# Altium PCB MTB_Telemetry_System_PCB.PcbDoc (continued)
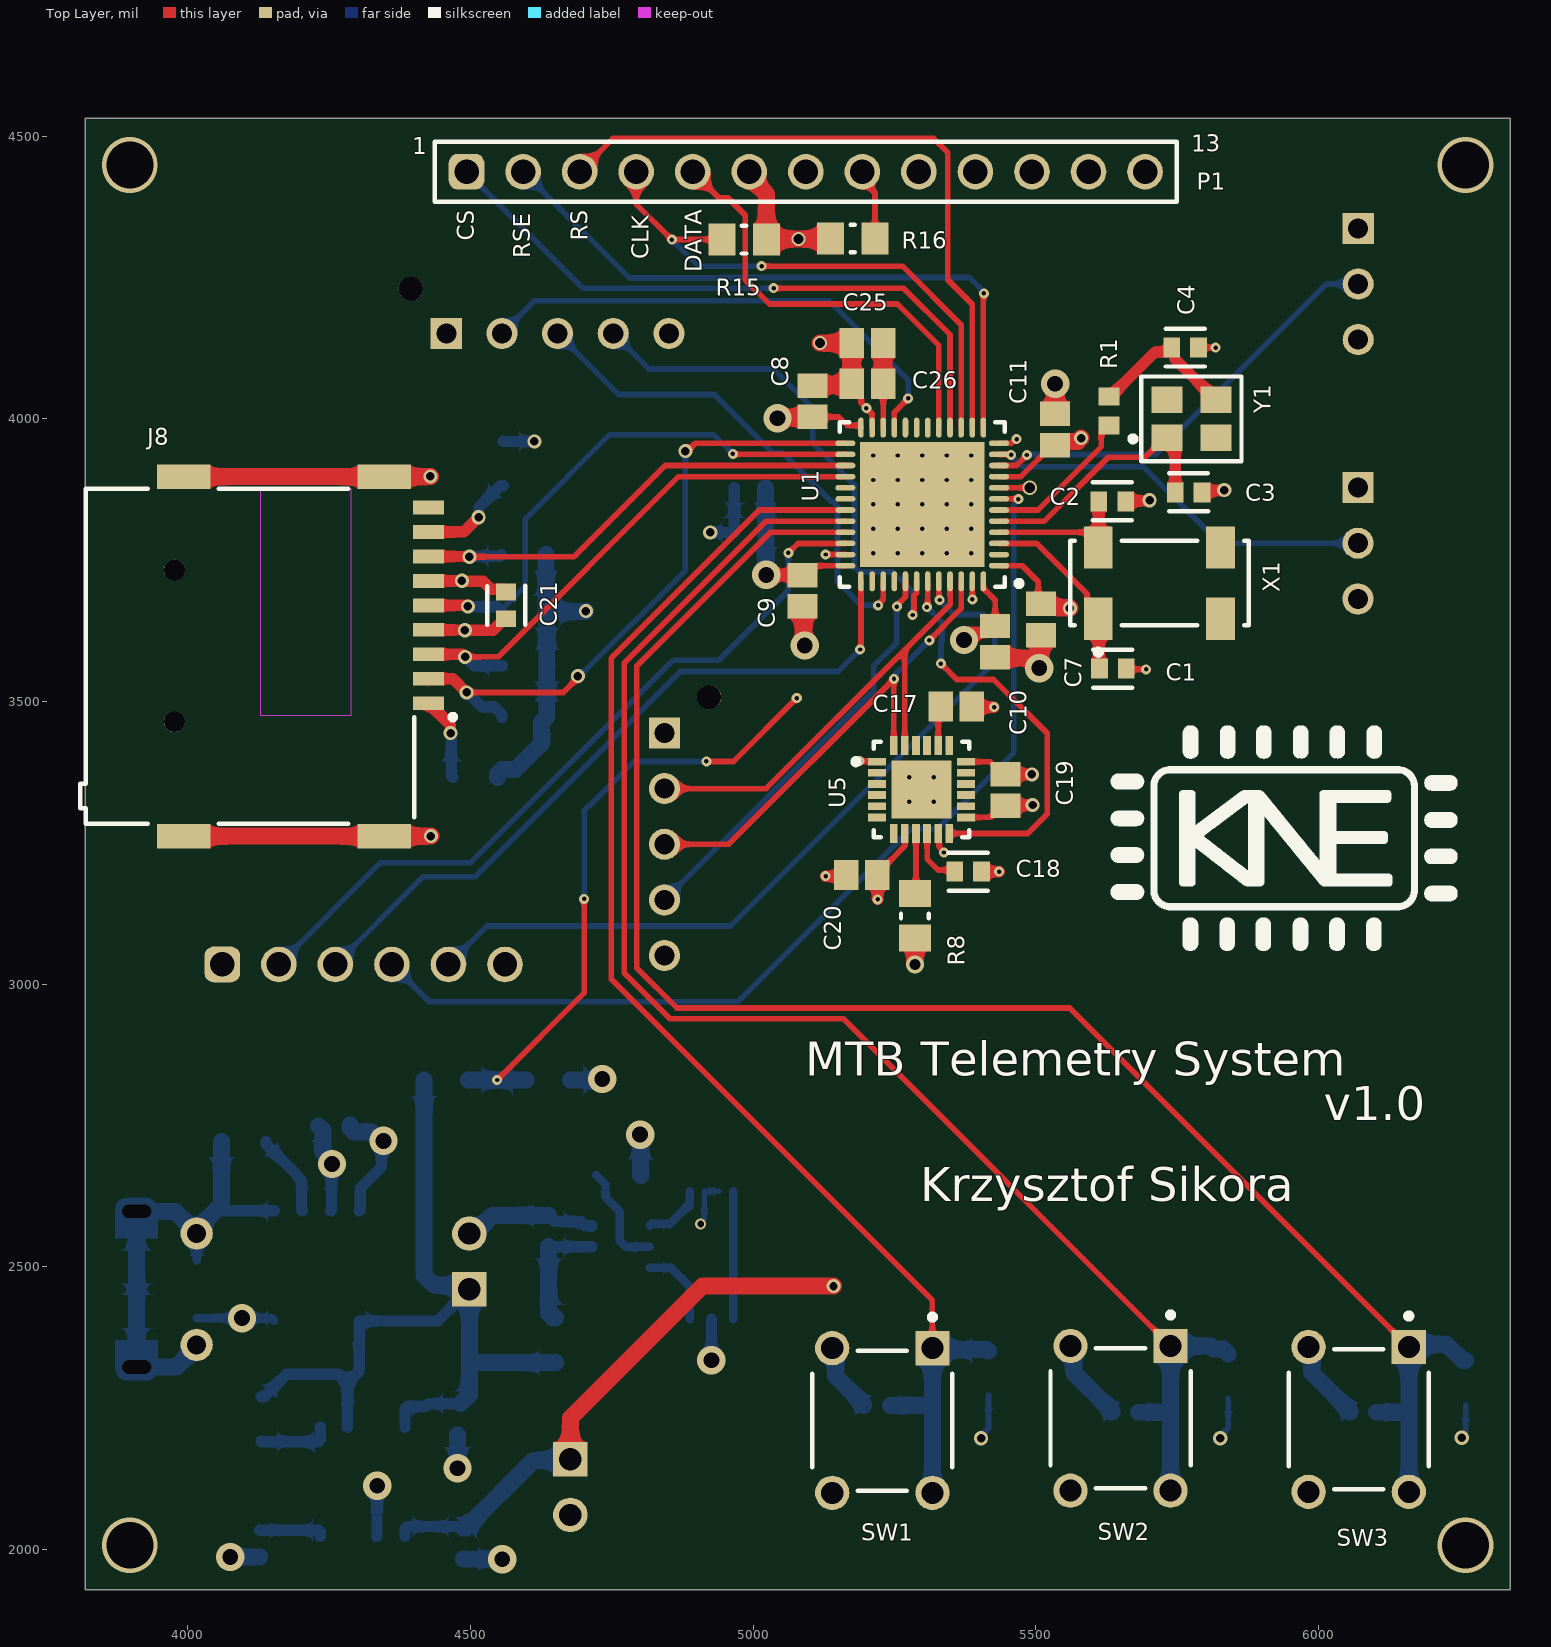
[diagram p0: Top Layer view]
## Components (designator, comment, footprint, x,y, rotation, side; value= is the part's Value field where it differs from the comment)
C1 "20p" FP-C0603C-CF-MFG 5636,3558 r0 top value="0.10 μF"
C2 "20p" FP-C0603C-CF-MFG 5635,3854 r180 top value="0.10 μF"
C3 "20p" FP-C0603C-CF-MFG 5770,3870 r180 top value="0.10 μF"
C4 "20p" FP-C0603C-CF-MFG 5764,4126 r180 top value="0.10 μF"
C5 "2.2u" CAPC2013X88X50LL20T25 4994,3878 r0 bottom
C6 "2.2u" CAPC2013X88X50LL20T25 4994,3799 r0 bottom
C7 "100n" CAPC2013X88X50LL20T25 5509,3645 r90 top
C8 "100n" CAPC2013X88X50LL20T25 5105,4031 r270 top
C9 "100n" CAPC2013X88X50LL20T25 5087,3696 r90 top
C10 "100n" CAPC2013X88X50LL20T25 5428,3606 r90 top
C11 "100n" CAPC2013X88X50LL20T25 5534,3981 r270 top
C12 "100n" CAPC2013X88X50LL20T25 4477.2,2230.63 r90 bottom
C13 "1u" CAPC2013X88X50LL20T25 4487.2,2010.63 r90 bottom
C14 "100n" CAPC2013X88X50LL20T25 4259.65,2750.63 r0 bottom
C15 "470p" FP-C0603C-CF-MFG 4127.2,2010.63 r270 bottom value="0.10 μF"
C16 "100n" CAPC2013X88X50LL20T25 4638.25,2563.62 r270 bottom
C17 "100n" CAPC2013X88X50LL20T25 5359,3491 r180 top
C18 "100n" FP-C0603C-CF-MFG 5380,3199 r0 top value="0.10 μF"
C19 "100n" CAPC2013X88X50LL20T25 5446.39,3343.56 r270 top
C20 "10n" CAPC2013X88X50LL20T25 5192,3193 r0 top
C21 "100n" FP-C0603C-CF-MFG 4563,3670 r270 top value="0.10 μF"
C22 "100n" FP-C0603C-CF-MFG 5219,2255 r0 bottom value="0.10 μF"
C23 "100n" FP-C0603C-CF-MFG 5658,2243 r0 bottom value="0.10 μF"
C24 "100n" FP-C0603C-CF-MFG 6079,2243 r0 bottom value="0.10 μF"
C25 "2.2u" CAPC2013X88X50LL20T25 5202,4134 r0 top
C26 "2.2u" CAPC2013X88X50LL20T25 5202,4062 r0 top
J1 "105017-0001" USB-MICRO-B_V 3962.6,2460.63 r90 bottom
J2 "B2B-XH-A(LF)(SN)" FP-B2B-XH-A_LF_SN-MFG 4477.29,2509.84 r90 bottom
J3 "B2B-XH-A(LF)(SN)" FP-B2B-XH-A_LF_SN-MFG 4697.2,2110.63 r270 bottom
J4 "B5B-XH-AM(LF)(SN)" FP-B5B-XH-AM_LF_SN-MFG 4863.67,3247.58 r90 bottom
J5 "B5B-XH-AM(LF)(SN)" FP-B5B-XH-AM_LF_SN-MFG 4654,4171.67 r180 bottom
J6 "B3B-XH-A(LF)(SN)" FP-B3B-XH-A_LF_SN-MFG 6090,3780 r270 bottom
J7 "B3B-XH-A(LF)(SN)" FP-B3B-XH-A_LF_SN-MFG 6090.67,4238.43 r270 bottom
J8 "MEM2075-00-140-01-A" GCT_MEM2075-00-140-01-A 3976.38,3598.43 r270 top
P1 "61301311121" 61301311121 5093,4437 r0 top
P2 "61300611121" 61300611121 4311,3035 r0 bottom
Q1 "FS8205A" SOP65P640X120-8N 4926.14,2520.63 r90 bottom
R1 "Rext" RESC1609X50X30NL8T20 5629,4014 r270 top
R2 "1M" RESC2013X60X35ML10T20 4130,2231 r90 bottom
R3 "1.2k" RESC2013X60X35ML10T20 4099,2722 r0 bottom
R4 "100" RESC2013X60X35ML10T20 4650,2370 r270 bottom
R5 "1k" RESC2013X60X35ML10T20 4762,2662 r180 bottom
R6 "100k" RESC2013X60X35ML10T20 4457.2,2830.63 r0 bottom
R7 "100k" RESC2013X60X35ML10T20 4637.2,2830.63 r0 bottom
R8 "1k" RESC2013X60X35ML10T20 5286,3121 r90 top
R9 "47k" RESC2013X60X35ML10T20 4595,3472 r0 bottom
R10 "47k" RESC2013X60X35ML10T20 4508,3366 r0 bottom
R11 "47k" RESC2013X60X35ML10T20 4558,3921 r90 bottom
R12 "47k" RESC2013X60X35ML10T20 4594,3760 r0 bottom
R13 "47k" RESC2013X60X35ML10T20 4596,3563 r0 bottom
R14 "47k" RESC2013X60X35ML10T20 4595,3659 r0 bottom
R15 "120" RESC2013X60X35ML10T20 4984,4317 r180 top
R16 "120" RESC2013X60X35ML10T20 5176,4319 r180 top
R17 "47k" RESC2013X60X35ML10T20 5416,2312 r270 bottom
R18 "47k" RESC2013X60X35ML10T20 5840,2307 r270 bottom
R19 "47k" RESC2013X60X35ML10T20 6260,2295 r270 bottom
SW1 "1-1825910-0" FP-1-1825910-0-MFG 5228.35,2228.35 r90 top
SW2 "1-1825910-0" FP-1-1825910-0-MFG 5649.61,2232.28 r90 top
SW3 "1-1825910-0" FP-1-1825910-0-MFG 6070.87,2230.31 r90 top
U1 "STM32F401CCU6" STM-UFQFPN48_N 5298.83,3848.51 r180 top
U2 "TP4056" SOP127P600X175-9N 4228,2502 r270 bottom
U3 "TC1263-3.3VOA" SOIC-OA8_M 4309.3,2119.83 r90 bottom
U4 "DW01A" SOT23-6 4766.21,2535.61 r270 bottom
U5 "MPU-6050" IS-QFN-24_V 5297.65,3344.35 r0 top
X1 "ABS25-32.768KHZ-6-T" ABRA-ABS25-4_V 5718.52,3709.3 r0 top
Y1 "7M-16.000MEEQ-T" FP-7M-MFG 5775,4000 r0 top

## Footprints (in the part's own frame and the unit in brackets; to place one, negate y for a bottom-side part, rotate by r counter-clockwise, add the part's x,y. Pads: shape width x height; smd on the part's side, far side on the other; paste and mask are expansions set on the pad)
61300611121 [mm] "Pin Header, pitch 2.54 mm, THT, Vertical, single row, 6p"
  rrect50% 1.6x1.6 hole 1.1: 1(-6.35,0)
  round 1.6 hole 1.1: 2(-3.81,0) 3(-1.27,0) 4(1.27,0) 5(3.81,0) 6(6.35,0)
  silkscreen extent -7.77,-1.34 7.77,1.34, body extent -7.62,-1.27 7.62,1.27, height 8.57
61301311121 [mm] "Pin Header, pitch 2.54 mm, THT, Vertical, single row, 13p"
  rrect50% 1.6x1.6 hole 1.1: 1(-15.24,0)
  round 1.6 hole 1.1: 2(-12.7,0) 3(-10.16,0) 4(-7.62,0) 5(-5.08,0) 6(-2.54,0) 7(0,0) 8(2.54,0) 9(5.08,0) 10(7.62,0) 11(10.16,0) 12(12.7,0) 13(15.24,0)
  silkscreen extent -16.66,-1.34 16.66,1.34, body extent -16.51,-1.27 16.51,1.27, height 8.57
ABRA-ABS25-4_V [mm] "SMD, 4-Leads, Body 8x3.8mm, Pitch 5.5mm, Height 2.5mm"
  rect 1.3x1.9 smd: 1(-2.75,-1.6) 2(2.75,-1.6) 3(2.75,1.6) 4(-2.75,1.6)
  silkscreen extent -4,-3.22 4,1.9, body extent -4,-2 4,2, height 2.66
CAPC2013X88X50LL20T25 [mm] "Chip Capacitor, 2-Leads, Body 2.00x1.25mm, IPC High Density"
  rect 1.1x1.35 smd: 1(-0.7,0) 2(0.7,0)
  body extent -1.1,-0.72 1.1,0.72, height 0.88
FP-1-1825910-0-MFG [mm]
  rect 1.54x1.54 hole 0.99 paste-1000 mask+0: 1(3.25,-2.25)
  round 1.54 hole 0.99 paste-1000 mask+0: 2(-3.25,-2.25) 3(3.25,2.25) 4(-3.25,2.25)
  silkscreen extent -3.14,-3.15 4.77,3.14, body extent -4.12,-3.24 4.12,3.24, height 0.25
FP-7M-MFG [mm]
  rect 1.4x1.2 smd paste+0 mask+0: 1(-1.1,-0.85) 2(1.1,-0.85) 3(1.1,0.85) 4(-1.1,0.85)
  silkscreen extent -2.75,-1.9 2.25,1.9, body extent -1.9,-1.55 1.9,1.55, height 0.25
FP-B2B-XH-A_LF_SN-MFG [mm]
  rect 1.55x1.55 hole 1 paste-1000 mask+0: 1(-1.25,0.525)
  round 1.55 hole 1 paste-1000 mask+0: 2(1.25,0.525)
  silkscreen extent -4.5,-2.88 3.7,2.87, body extent -3.7,-2.88 3.7,2.88, height 7
FP-B3B-XH-A_LF_SN-MFG [mm]
  rect 1.4x1.4 hole 0.9 paste-1000 mask+0: 1(-2.5,0.525)
  round 1.4 hole 0.9 paste-1000 mask+0: 2(0,0.525) 3(2.5,0.525)
  silkscreen extent -5.6,-2.88 4.95,2.87, body extent -4.95,-2.88 4.95,2.89, height 7
FP-B5B-XH-AM_LF_SN-MFG [mm]
  rect 1.4x1.4 hole 0.9 paste-1000 mask+0: 1(5,-0.525)
  round 1.4 hole 0.9 paste-1000 mask+0: 2(2.5,-0.525) 3(0,-0.525) 4(-2.5,-0.525) 5(-5,-0.525)
  round 1.1 hole 1.1 unplated paste-1000 mask+0: ""(6.6,1.475)
  silkscreen extent -7.45,-2.88 8.17,2.87, body extent -7.45,-2.88 7.45,2.88, height 7
FP-C0603C-CF-MFG [mm]
  rect 0.75x0.9 smd paste+0 mask+0: 1(-0.6,0) 2(0.6,0)
  silkscreen extent -0.87,-0.85 0.88,0.85, body extent -1.2,-0.6 1.2,0.6, height 0.25
GCT_MEM2075-00-140-01-A [mm]
  rect 0.62x1.4 smd: P1(2.58,11.42) P2(1.48,11.42) P3(0.38,11.42) P4(-0.72,11.42) P5(-1.82,11.42) P6(-2.92,11.42) P7(-4.02,11.42) P8(-5.12,11.42) P9(-6.22,11.42)
  rect 1.1x2.4 smd: SH1(-7.6,0.42) SH2(-7.6,9.42) SH3(8.55,9.42) SH4(8.55,0.42)
  round 0.95 hole 0.95 unplated: ""(-3.4,0) ""(3.4,0)
  Keep-Out Layer region: 3.15,3.87 -7.05,3.87 -7.05,7.92 3.15,7.92
  silkscreen extent -7.05,-4.23 8,12.62
IS-QFN-24_V [mm] "QFN, 24-Leads, Body 4x4mm, Pitch 0.5mm, Thermal Pad 2.7x2.6mm"
  rect 0.8x0.35 smd: 1(-2,1.25) 2(-2,0.75) 3(-2,0.25) 4(-2,-0.25) 5(-2,-0.75) 6(-2,-1.25) 13(2,-1.25) 14(2,-0.75) 15(2,-0.25) 16(2,0.25) 17(2,0.75) 18(2,1.25)
  rect 0.35x0.85 smd mask+0.102: 7(-1.25,-1.975) 8(-0.75,-1.975) 9(-0.25,-1.975) 10(0.25,-1.975) 11(0.75,-1.975) 12(1.25,-1.975) 19(1.25,1.975) 20(0.75,1.975) 21(0.25,1.975) 22(-0.25,1.975) 23(-0.75,1.975) 24(-1.25,1.975)
  rect 2.7x2.6 smd: 25(0,0)
  silkscreen extent -3.07,-2.15 2.15,2.15, body extent -2,-2 2,2, height 0.95
RESC1609X50X30NL8T20 [mm] "Chip Resistor, 2-Leads, Body 1.65x0.95mm, IPC Medium Density"
  rect 0.8x0.95 smd: 1(-0.65,0) 2(0.65,0)
  body extent -0.82,-0.48 0.82,0.48, height 0.5
RESC2013X60X35ML10T20 [mm] "Chip Resistor, 2-Leads, Body 2.1x1.35mm, IPC Low Density"
  rect 1.2x1.45 smd: 1(-1,0) 2(1,0)
  silkscreen extent -0.1,-0.63 0.1,0.63, body extent -1.05,-0.68 1.05,0.67, height 0.6
SOIC-OA8_M [mm] "SOIC, 8-Leads, Body 4.9x3.9mm, Pitch 1.27mm, IPC Low Density"
  oval 2.5x0.7 smd: 1(-2.45,1.905) 2(-2.45,0.635) 3(-2.45,-0.635) 4(-2.45,-1.905) 5(2.45,-1.905) 6(2.45,-0.635) 7(2.45,0.635) 8(2.45,1.905)
  silkscreen extent -2.57,-2.5 0.8,2.93, body extent -2,-2.5 2,2.5, height 1.75
SOP65P640X120-8N [mm]
  rrect25% 1.56x0.4 smd: 1(-2.88,0.975) 2(-2.88,0.325) 3(-2.88,-0.325) 4(-2.88,-0.975) 5(2.88,-0.975) 6(2.88,-0.325) 7(2.88,0.325) 8(2.88,0.975)
  silkscreen extent -4.54,-1.52 2.25,1.52
SOP127P600X175-9N [mm]
  rrect25% 1.97x0.6 smd: 1(-2.475,1.905) 2(-2.475,0.635) 3(-2.475,-0.635) 4(-2.475,-1.905) 5(2.475,-1.905) 6(2.475,-0.635) 7(2.475,0.635) 8(2.475,1.905)
  rect 2.413x3.302 smd paste-3: 9(0,0)
  silkscreen extent -4.54,-2.55 2,2.6, body extent -3,-2.45 3,2.45, height 1.75
SOT23-6 [mm]
  rect 0.55x1.2 smd: 1(-0.95,-1.3) 2(0,-1.3) 3(0.95,-1.3) 4(0.95,1.3) 5(0,1.3) 6(-0.95,1.3)
  silkscreen extent -1.42,-0.81 1.42,0.81, body extent -1.4,-1.45 1.4,1.45, height 1.45
STM-UFQFPN48_N [mm] "QFN, 48-Leads, Body 7.1x7.1mm, Pitch 0.5mm, Thermal Pad 5.6x5.6mm, IPC Medium Density"
  oval 0.9x0.25 smd: 1(-3.45,2.75) 2(-3.45,2.25) 3(-3.45,1.75) 4(-3.45,1.25) 5(-3.45,0.75) 6(-3.45,0.25) 7(-3.45,-0.25) 8(-3.45,-0.75) 9(-3.45,-1.25) 10(-3.45,-1.75) 11(-3.45,-2.25) 12(-3.45,-2.75) 25(3.45,-2.75) 26(3.45,-2.25) 27(3.45,-1.75) 28(3.45,-1.25) 29(3.45,-0.75) 30(3.45,-0.25) 31(3.45,0.25) 32(3.45,0.75) 33(3.45,1.25) 34(3.45,1.75) 35(3.45,2.25) 36(3.45,2.75)
  oval 0.25x0.9 smd: 13(-2.75,-3.45) 14(-2.25,-3.45) 15(-1.75,-3.45) 16(-1.25,-3.45) 17(-0.75,-3.45) 18(-0.25,-3.45) 19(0.25,-3.45) 20(0.75,-3.45) 21(1.25,-3.45) 22(1.75,-3.45) 23(2.25,-3.45) 24(2.75,-3.45) 37(2.75,3.45) 38(2.25,3.45) 39(1.75,3.45) 40(1.25,3.45) 41(0.75,3.45) 42(0.25,3.45) 43(-0.25,3.45) 44(-0.75,3.45) 45(-1.25,3.45) 46(-1.75,3.45) 47(-2.25,3.45) 48(-2.75,3.45)
  rect 5.6x5.6 smd: 49(0,0)
  silkscreen extent -4.48,-3.7 3.7,3.7, body extent -3.55,-3.55 3.55,3.55, height 0.6
USB-MICRO-B_V [mm] "USB, MICRO B, Body 7.491x4.695 mm, Pitch 0.65 mm"
  rect 0.4x1.35 smd: 1(-1.3,1.35) 2(-0.65,1.35) 3(0,1.35) 4(0.65,1.35) 5(1.3,1.35)
  round 1.45 hole 0.85: 6(-2.5,1.35) 7(2.5,1.35)
  rrect50% 0x0 hole 0.6 slot 1.3 at 90 deg: 8(-3.5,-1.35) 11(3.5,-1.35)
  rect 1.5x1.9 smd: 9(-1,-1.35) 10(1,-1.35)
  Top Layer region: -2.3,-2.3 -2.3,-0.4 -3.6,-0.4 -3.6,-2.3
  Top Layer region: 2.3,-0.4 2.3,-2.3 3.6,-2.3 3.6,-0.4
  Top Layer region: 3.6,-0.9 3.6,-1.8 4.1,-1.8 4.1,-0.9
  Top Layer region: -3.6,-1.8 -3.6,-0.9 -4.1,-0.9 -4.1,-1.8
  Top Layer lines w0.5: -3.6,-1.55 cw(c-3.6,-1.8) -3.6,-1.55 ; 3.6,-1.55 cw(c3.6,-1.8) 3.6,-1.55 ; -3.5,-1.129 ccw(c-3.6,-0.9) -3.5,-0.671 ccw(c-3.6,-0.9) -3.6,-0.65 ccw(c-3.6,-0.9) -3.5,-1.129 ; 3.5,-1.129 ccw(c3.6,-0.9) 3.6,-0.65 ccw(c3.6,-0.9) 3.5,-0.671 ccw(c3.6,-0.9) 3.5,-1.129
  silkscreen extent -3.75,-3.5 3.75,2.7, body extent -4.1,-3.9 4.1,1.5, height 2.67

## Part data
C1 C2 C3 C4 C15 C18 C21 C22 C23 C24: library part CMP-2006-03061-2, "CAP CER 0.1UF 50V X7R 0603", Capacitance="0.10 μF", Manufacturer=KEMET, Manufacturer Part Number=C0603C104K5RACTU, Package=C0603C-CF, Temperature="-55°C to +125°C", Temperature Characteristic=X7R, Temperature Coefficient=30ppm/°C, Temperature Range High=+125°C, Temperature Range Low=-55°C, Tolerance=0.1, Voltage Rating="50 V", Automotive=Yes, Automotive Grade="Grade 1", Category=Cap, ComponentLink2Description=Datasheet, ComponentLink2URL=https://api.kemet.com/component-edge/download/datasheet/C0603C100J5GACAUTO.pdf, Device Class L1="Passive Components", Device Class L2=Capacitors, Device Class L3="Ceramic Capacitors", Digikey Description="CAP CER 0.1UF 50V X7R 0603", Height=0.87mm, Lead Free=Yes, Material=Ceramic, Octopart=https://octopart.com/c0603c104k5ractu-kemet-139244, RoHS=TRUE
C5 C6 C7 C8 C9 C10 C11 C12 C13 C14 C16 C17 C19 C20 C25 C26: library part CMP-2007-00266-1, Manufacturer=Kemet, Part Number=C0805C103K5RACTU
J1: library part CMP-2000-05827-1, "Micro-USB B Receptacle, Right Angle, Bottom Mount, Surface Mount, with Solder Tabs, -30 to 85 degC, 5-Pin USB, RoHS, Tape and Reel", Manufacturer=Molex, Package Description="5-Leads USB, Micro B, Body 7.5 x 5 mm, Pitch 0.65 mm", Package Reference=MICRO-B, Package Version="Rev. F, 12/2012", Standard Package=1, Voltage - Max=30V, 3D Model=105017-0001.stp, Catalog Drawings=1050170001, Category=Connectors,Interconnects, Circuits=5, Connector Type=USB-microB, Datasheet URL=http://www.molex.com/elqNow/elqRedir.htm?ref=http://www.molex.com/webdocs/datasheets/pdf/en-us/1050170001_IO_CONNECTORS.pdf, Datasheet Version=03/2016, Family=USB,DVI,HDMIConnectors, Featured Product=Micro-USBConnectorsUSBConnectors, Features=Shielded,SolderRetention, Gender=Receptacle, Ingress Protection=-, Manufacturer URL=http://www.molex.com/, Mating Products=WM17145-ND-CABLEMICROUSBBTOSTDA1.0MWM17147-ND-CABLEMICROUSBBTOSTDA2.0MWM17146-ND-CABLEMICROUSBBTOSTDA1.5M, Mounting Technology=SurfaceMount, Mounting Type=BoardCutout,SurfaceMount,RightAngle, Number of Contacts=5, Online Catalog=Molex-MicroUSB, Other Names=WM1399DKR, Package URL=http://www.molex.com/pdm_docs/sd/1050170001_sd.pdf, Packaging=Digi-Reel®, PCN Assembly/Origin=ResinSupplier21/Oct/2015, RoHS Information=1050170001CertofCompliance, Series=-, Specifications=-
J2 J3: library part CMP-2000-05888-3, "CONN HEADER VERT 2POS 2.5MM", Color=Natural, Contact Resistance=20mR, Current Rating=3A, Housing Color=White, Insulation Resistance=1GR, Max Operating Temperature=85°C, Max Voltage Rating (AC)=250V, Min Operating Temperature=-25°C, Connector Type="Male Pin", Contact Material=Brass, Contact Plating=Tin, Contact Type="Male Pin", Depth=5.75mm, Fastening Type=Detent, Housing Material=Polyamide, Lead Free="Lead Free", Lead Pitch=2.5mm, Length=7.4mm, Max Current Rating=3A, Max Voltage Rating (DC)=250V, Mount="Through Hole", Number of Contacts=2, Number of Positions=2, Number of Rows=1, Orientation=Straight, Packaging=Bulk, Pitch=2.5mm, REACH SVHC="No SVHC", Series=XH, Termination=Solder, Voltage Rating=250V, Voltage Rating (AC)=250V, Wire/Cable Gauge=22AWG
J4 J5: library part CMP-17439-000304-1, "CONN HEADER VERT 5POS 2.5MM", Color=Green, Contact Resistance=20mR, Flammability Rating="UL94 V-0", Housing Color=White, Insulation Color=Natural, Max Current Rating=3A, Max Operating Temperature=85°C, Max Voltage Rating (AC)=250V, Min Operating Temperature=-25°C, Connector Type=Header, Contact Finish - Mating=TIN, Contact Material=Brass, Contact Plating=Copper, Contact Shape=Square, Contact Type="Male Pin", Depth=5.75mm, Fastening Type=Detent, Housing Material=Polyamide, Insulation Material=Nylon, Lead Free="Lead Free", Length=14.9mm, Mated Stacking Heights=9.8mm, Mount="Through Hole", Number of Positions=5, Number of Rows=1, Orientation=Straight, Packaging=Bulk, Pitch=2.5mm, Series=XH, Termination=Solder, Voltage Rating=250V
J6 J7: library part CMP-17439-000014-3, "CONN HEADER VERT 3POS 2.5MM", Color=Natural, Contact Resistance=20mR, Current Rating=3A, Flammability Rating="UL94 V-0", Housing Color=White, Insulation Resistance=1GR, Max Operating Temperature=85°C, Max Voltage Rating (AC)=250V, Min Operating Temperature=-25°C, Connector Type=Header, Contact Finish - Mating=TIN, Contact Material=Brass, Contact Plating=Tin, Contact Shape=Square, Contact Type="Male Pin", Depth=5.75mm, Fastening Type=Detent, Gender=Male, Housing Material=Polyamide, Insulation Color=Natural, Insulation Material=Nylon, Lead Free="Lead Free", Lead Pitch=2.5mm, Length=9.9mm, Max Current Rating=3A, Max Voltage Rating (DC)=250V, Mount="Through Hole", Number of Contacts=3, Number of Positions=3, Number of Rows=1, Orientation=Straight, Packaging=Bulk, Pitch=2.5mm, REACH SVHC="No SVHC", Series=XH, Termination=Solder, Voltage Rating=250V, Voltage Rating (AC)=250V, Wire/Cable Gauge=22AWG
J8: "Micro SD Memory Card Connector, 1.4mm Profile SMT, Push-Push, with Normally open Switch", Package=None, Availability=Unavailable, MP=MEM2075-00-140-01-A, Price=None
P1: library part CMP-1502-01089-2, Color=Black, Contact Resistance=20mΩ, Current Rating=3A, Operating Supply Voltage=250V, Connector Type="Male Pin", Contact Material=Copper, Contact Mating Length=5.9944mm, Contact Plating=Gold, Gender=Male, Lead Free="Lead Free", Lead Pitch=2.54mm, Mount="Through Hole", NexarPartId=32855541, Number of Contacts=13, Number of Pins=13, Number of Positions=13, Number of Rows=1, Orientation=Vertical, Packaging=Bulk, Pitch=2.54mm, REACH SVHC=Unknown, RoHS=Compliant, Termination=Solder
P2: library part CMP-1502-01070-2, Color=Black, Contact Resistance=20mΩ, Current Rating=3A, Max Operating Temperature=105°C, Min Operating Temperature=-40°C, Operating Supply Voltage=250V, Connector Type="Male Pin", Contact Gender=Male, Contact Material=Copper, Contact Mating Length=5.9944mm, Contact Plating=Gold, Gender=Male, Height=8.89mm, Housing Material=PBT, Lead Free="Lead Free", Lead Pitch=2.54mm, Mount="Through Hole", NexarPartId=20084590, Number of Contacts=6, Number of Pins=6, Number of Positions=6, Number of Rows=1, Orientation=Vertical, Packaging=Bulk, Pitch=2.54mm, REACH SVHC=Unknown, RoHS=Compliant, Termination="Through Hole", Voltage Rating=250V
Q1: "N/A", Package=Package, Availability="Not in stock", Check_prices=https://www.snapeda.com/parts/FS8205A/Fortune+Semiconductor/view-part/?ref=eda, MF="Fortune Semiconductor", MP=FS8205A, Price=None, SnapEDA_Link=https://www.snapeda.com/parts/FS8205A/Fortune+Semiconductor/view-part/?ref=snap
R1: library part CMP-1666-00005-4, "Chip Resistor, 10 KOhm, +/- 1%, 100 mW, -55 to 155 degC, 0603 (1608 Metric), RoHS, Tape and Reel", Manufacturer="Vishay Semiconductor", Max Operating Temperature="155 degC", Min Operating Temperature="-55 degC", Package Quantity=5000, Voltage Rating="75 V", ComponentLink1Description="Manufacturer URL", ComponentLink1URL=http://www.vishay.com/, ComponentLink2Description=Datasheet, ComponentLink2URL=https://datasheet.ciiva.com/11809/0900766b80d98afc-11809037.pdf, DatasheetVersion=06/2012, Height="0.45 mm", Length="1.55 mm", Mounting Technology="Surface Mount", PackageDescription="2-Pin Surface Mount Device, Body 1.575 x 0.85 mm", PackageReference=0603, Packaging="Tape and Reel", REACH SVHC=Unknown, RoHSCompliant=true
R2 R3 R4 R5 R6 R7 R8 R9 R10 R11 R12 R13 R14 R15 R16 R17 R18 R19: library part CMP-2100-03673-1, "Chip Resistor, 0 Ohm, Jumper, +/- 5%, 0.125 W, -55 to 155 degC, 0805 (2012 Metric), RoHS, Tape and Reel", Case Code (Imperial)=0805, Case Code (Metric)=2012, Manufacturer=Yageo, Max Operating Temperature=155degC, Min Operating Temperature=-55degC, Package Description="2-Pin Surface Mounted Device, Body 2 x 1.25 mm", Power Rating=125mW, Resistance=0mOhm, Temperature Coefficient=200ppm/degreesC, Tolerance=5%, Voltage Rating=150V, Case/Package=0805, Composition=ThickFilm, Contact Plating=Tin, Datasheet URL=http://www.yageo.com/NewPortal/yageodocoutput?fileName=/pdf/R-Chip/PYu-RC_Group_51_RoHS_L_5.pdf, Datasheet Version="Rev. 5, 10/2016", Depth=1.25mm, Height=0.5mm, Lead Free=LeadFree, Length=2mm, Manufacturer URL=http://www.yageo.com/, Military Standard=Not, Number of Pins=2, Package Reference=0805, Packaging=TapeandReel, Radiation Hardening=No, REACH SVHC=Unknown, RoHSCompliant=true, Termination=SMD/SMT, Voltage Rating (DC)=150V, Width=1.25mm
SW1 SW2 SW3: library part CMP-03407-000018-1, "SWITCH TACTILE SPST-NO 0.05A 24V", Actuator Color=Blue, Contact Current Rating=50mA, Contact Resistance=100mR, Max Operating Temperature=85°C, Max Voltage Rating (DC)=24V, Min Operating Temperature=-35°C, Operating Force=1.56N, Package Quantity=750, Actuator Length=3.4mm, Actuator Material=Nylon, Actuator Type=Standard, Contact Material=Brass, Contact Plating=Silver, Depth=5.99mm, Electrical Life=100000Cycles, Illumination Type=Non-Illuminated, Length=5.99mm, Max Current Rating=50mA, Mechanical Life=100000Cycles, Mount="Through Hole", Orientation=Straight, Packaging="Loose Piece", Radiation Hardening=No, RoHS Compliant=Yes, Series="FSMJ, Alcoswitch", Switch Function=Off-Mom, Switch Travel=0.25mm, Termination="PC Pins", Throw Configuration=SPST, Type=Switch, Voltage Rating (DC)=24V
U1: library part CMP-0243-00119-2, "ARM Cortex-M4 32-bit MCU+FPU, 105 DMIPS, 256 kB Flash, 64 kB Internal RAM, 36 I/Os, 48-pin UFQFPN, -40 to 85 degC, Tray", I/Os (High Current)=36, Manufacturer=STMicroelectronics, Operating Frequency(F) (Processor speed) (MHz)=84, Supply Voltage(Vcc) max (V)=3.6, Supply Voltage(Vcc) min (V)=1.8, ComponentLink1Description="Manufacturer URL", ComponentLink1URL=http://www.st.com/web/en/home.html, ComponentLink2Description=Datasheet, ComponentLink2URL=http://www.st.com/st-web-ui/static/active/en/resource/technical/document/data_brief/DM00071938.pdf, ComponentLink3Description="Package Specification", ComponentLink3URL=http://www.st.com/st-web-ui/static/active/en/resource/technical/document/data_brief/DM00071938.pdf, Core="ARM Cortex-M4", DatasheetVersion="Rev. 1", FLASH Size (Prog) (kB)=256, Internal RAM Size (kB)=64, Mounting Technology="Surface Mount", PackageDescription="48-Pin Ultra Thin Fine Pitch Quad Flat No-Lead, 7 x 7 x 0.6 mm Body, 0.5 mm Pitch, Exposed Pad", PackageReference=UFQFPN48, PackageVersion="Rev. 1, 04/2013", Packing=Tray, PartNumber=STM32F401CCU6
U2: "Complete single cell Li-Ion battery with a constant current / constant voltage linear charger", Package=Package, Availability="Not in stock", Check_prices=https://www.snapeda.com/parts/TP4056/NanJing+Top+Power+ASIC+Corp./view-part/?ref=eda, MF="NanJing Top Power ASIC Corp.", MP=TP4056, Price=None, SnapEDA_Link=https://www.snapeda.com/parts/TP4056/NanJing+Top+Power+ASIC+Corp./view-part/?ref=snap
U3: library part CMP-0136-00199-1, "500mA Fixed Output, CMOS LDO with Shutdown, 8-Pin SOIC 150mil, Extended Temperature", Code_IPC=SOIC127P600-8, DatasheetVersion="revC, Jan-2005", PackageDescription="8-Lead Plastic Small Outline (OA) - Narrow, 3.90mm Body [SOIC]", PackageReference=SOIC-OA8, PackageVersion="revBB, Aug-2009"
U4: "One Cell Lithium-ion/Polymer Battery Protection IC", Package="SOT-23-6 Fortune Semiconductor", Check_prices=https://www.snapeda.com/parts/DW01A/Fortune+Semiconductor/view-part/?ref=eda, MF="Fortune Semiconductor", MP=DW01A, SnapEDA_Link=https://www.snapeda.com/parts/DW01A/Fortune+Semiconductor/view-part/?ref=snap
U5: library part CMP-1753-00002-2, "3-Axis Gyroscope, Accelerometer and a Digital Motion Processor(TM) (DMP), 2.375 to 3.46 V, -40 to 85 degC, 24-Pin QFN, RoHS, Tape and Reel", Manufacturer=InvenSense, Standard Package=5,000, Category=Sensors,Transducers, Datasheet URL=http://datasheet.octopart.com/MPU-6050-InvenSense-datasheet-14421344.pdf, Datasheet Version="Rev. 3.3, 05/2012", Dynamic Catalog=MPU-6000™Series, Family=Multifunction, Featured Product=MPU-60506-Axis,IntegratedI²CSolution, Manufacturer URL=http://www.invensense.com/, Online Catalog=MPU-6000™Series, Other Names="1428-1007-2 / MPU6050", Output Type=Digital, Sensor Type=MotionTracking, Unit PriceUSD=Digital
X1: library part CMP-2000-05036-1, "Low Frequency Crystal, 32.768 KHz, 6 pF, +/- 20 ppm, -40 to 85 degC, 4-Pin SMD, RoHS, Tape and Reel", Case Height=2.5mm, Case Length=8mm, Case Width=3.8mm, Frequency=32.768kHz, Load Capacitance=6pF, Manufacturer=Abracon, Operating Temperature Range=-40Cto+85C, Package / Case=8mmx3.8mm, Package Description="4-Pin Surface Mount Device, Body 8 x 3.8 mm, Pitch 5.5 mm", Package Reference=ABS25, Tolerance=20PPM, Brand=ABRACON, Datasheet URL=https://datasheet.ciiva.com/854/abs25-854528.pdf, Datasheet Version=Jun-17, Dimensions=3.8mmWx8mmLx2.5mmH, ESR=50kOhms, Factory Pack Quantity=3000, Manufacturer URL=http://www.abracon.com/, Mounting Style=SMD/SMT, Packaging=Reel, Product Category=Crystals, RoHS=Details, Series=ABS25, Termination Style=SMD/SMT, Type=LowFrequencyCrystal
Y1: library part CMP-18717-000438-1, "Crystal 16MHz, 10ppm, 10pF, 60Ω", Case/Package=SMD/SMT, ESR (Equivalent Series Resistance)=100R, Frequency=16MHz, Frequency Stability=10ppm, Load Capacitance=10pF, Max Operating Temperature=70°C, Min Operating Temperature=-10°C, Package Quantity=1, Depth=2.5mm, Frequency Tolerance=10ppm, Height=0.031inch, Length=3.2mm, Mount="Surface Mount", Number of Pins=4, Packaging="Tape and Reel", REACH SVHC="No SVHC", RoHS Compliant=Yes, Series=7M, Termination=SMD/SMT, Tolerance=10ppm, Width=2.5mm

## Via types
v1: diameter 17.72, hole 7.87, Top Layer to Bottom Layer, tented both sides, 35 vias
v2: diameter 19.68, hole 7.87, Top Layer to Bottom Layer, tented both sides, 29 vias
v3: diameter 25, hole 15, Top Layer to Bottom Layer, tented both sides, 25 vias
v4: diameter 50, hole 28, Top Layer to Bottom Layer, tented both sides, 16 vias
v5: diameter 98.43, hole 82.68, Top Layer to Bottom Layer, 4 vias
v6: diameter 25, hole 18, Top Layer to Bottom Layer, tented both sides, 3 vias
v7: diameter 19.68, hole 11.81, Top Layer to Bottom Layer, tented both sides, 1 vias
v8: diameter 31.5, hole 19.68, Top Layer to Bottom Layer, tented both sides, 1 vias

## Nets (pads, with @x,y where several pads share a name; then routed paths per layer and width w, separated by ;. In a path a pad name is that pad's centre, name@x,y a point inside that pad or via, vN(x,y) a via of type N, cw(c..) or ccw(c..) an arc to the next point about the centre after c; other vN are vias at no path point)
+3.3V: C5.2 C6.2 C8.2 C9.2 C10.2 C11.2 C19.2 C20.2 C21.2 J3.2 J4.1 J5.1 J6.1 J7.1 J8.P4 P1.6 P2.1 R9.2 R10.2 R11.2 R12.2 R13.2 R14.2 R15.1 R16.2 R17.2 R18.2 R19.2 U1.9 U1.24 U1.36 U1.48 U5.8 U5.13 | length 10955.4
  Top Layer w10: C9.2@5091.92,3723.56 5108.61,3740.25 U1.36 ; C8.2 5151.56,4003.44 5166.71,3988.3 5190.48,3988.3 5190.56,3988.22 U1.24 ; C20.2 5219.56,3197.92 5236.21,3214.57 5238.25,3214.57 5268.13,3244.45 U5.8 ; U5.13 5420.61,3295.13 C19.2@5441.47,3316 ; U1.48@5407.17,3699.97 5428,3679.15 C10.2 ; U1.9 5473.36,3897.73 5529.08,3953.44 C11.2 ; C10.2@5442.08,3633.56 C10.2@5447,3633.56
  Top Layer w20: J8.P4 4426.37,3626.39 4489.61,3626.39 v3(4490,3626) 4540,3626 4541,3627 4541,3627.33 4560.05,3646.38 C21.2 ; v4(5023,3724) 5023.22,3723.78 5091.7,3723.78 C9.2@5091.92,3723.56 ; C20.2 5220,3192.56 v1(5220,3150) ; v4@5393.8,3621.91 5416.35,3621.91 C10.2 ; C19.2@5441.47,3316 5441.97,3316.5 5493.5,3316.5 v3(5494,3317)
  Top Layer w30: P1.6 4993,4428.07 5023.37,4397.7 R15.1 5024.37,4318 v6(5080,4318) 5135.63,4318 R16.2 ; v4(5043,4001) 5044.22,4002.22 5103.78,4002.22 C8.2 ; C11.2 5540.65,3960.1 5574.1,3960.1 v3(5580,3966)
  Power Layer w20: v3@4612.04,3960.96 v3(4613,3960) ; 5044,2250 5069,2250 5121,2198 v3(6253,2198) ; 5044,3129 5065,3150 ; 5383,3213 5383,3214
  Power Layer w30: P2.1 4061,2975 4125,2911 5044,2911
  Power Layer w39.37: J5.1 4612.04,3996.11 v3@4612.04,3960.96 ; v3(4490,3626) 4670,3626 v3(4704,3660) ; v3(4613,3960) 4613,3751 v3(4704,3660) ; J4.1 4990.57,3444.43 5044,3391 ; 5023,3439 v4(5023,3724) ; 5030.5,3431.5 5084.5,3431.5 5125,3472 5315,3472 5370.74,3527.74 5370.74,3606.97 v4(5372.78,3609) 5580,3816.22 ; 5065,3150 v1(5220,3150) 5320,3150 5383,3213 ; v6(5080,4318) 5080,4217 5043,4180 v4(5043,4001) 5043,3998.12 5023,3978.12 v4(5023,3724) ; 5383,3214 5486,3317 v3(5494,3317) ; v3(5580,3966) 5580,3816.22 ; v3@5580.5,3966.5 5950.85,4336.85 J7.1 ; J6.1 5912.43,3878.43 5850.22,3816.22 5580,3816.22 ; v3(4704,3660) 4779.61,3660 4843.61,3724 v4(5023,3724)
  Power Layer w78.74: J3.2 4855.42,2061.42 5044,2250 5044,2911 5044,3129 5044,3391
  Bottom Layer w10: v3(5403,2197) 5403,2201.06 5416,2214.06 R17.2 ; v3(5826,2197) 5826,2201.06 5840,2215.06 R18.2 ; 6260,2209.06 R19.2
  Bottom Layer w20: R11.2 4558.37,3960 v3(4613,3960)
  Bottom Layer w30: R10.2 4547.37,3370.92 4555.99,3379.54 4579.54,3379.54 4625.75,3425.75 4625.75,3463.38 4634.87,3472.5 4634.87,3562.5 R13.2 4634.87,3563.5 4634.87,3658.5 R14.2 ; R12.2 4633.87,3759.5 4633.87,3659.5 R14.2 ; v3(4704,3660) 4703,3659 R14.2 ; C5.2 C6.2 5022.28,3798.28 5022.28,3724.72 v4(5023,3724)
BattADC: R6.2 R7.1 U1.12 | length 1928.4
  Top Layer w10: v1(4547.2,2830.63) 4701,2984.43 v1(4701,3151) ; v1(4917,3394) 4965,3394 v1(5077,3506) ; U1.12 5434.73,3956.86 5456.77,3956.86 5463.91,3964 v1(5466,3964)
  Power Layer w10: v1(5077,3506) 5154,3583 5154,3941 5184,3971 5456.91,3971 5463.91,3964 v1(5466,3964)
  Bottom Layer w10: v1(4701,3151) 4701,3307.14 4709.86,3316 4711,3316 4789,3394 v1(4917,3394)
  Bottom Layer w30: R6.2 v1(4547.2,2830.63) R7.1
BOOT0: P2.5 U1.44 | length 1402
  Top Layer w10: U1.44 5328.43,3712.61 5328.43,3680.82 v1(5329.67,3679.58)
  Bottom Layer w10: P2.5 4529,3103 4960,3103 5427,3570 5427,3635 5408,3654 5355.26,3654 v1(5329.67,3679.58)
BrakeADC1: J7.2 U1.10 | length 768.3
  Top Layer w10: U1.10 5434.73,3917.49 5465.49,3917.49 v1(5484,3936)
  Bottom Layer w10: v1(5484,3936) 5485,3937 5712,3937 6013.43,4238.43 J7.2
BrakeADC2: J6.2 U1.11 | length 701
  Top Layer w10: U1.11 5434.73,3937.02 5455.33,3937.02 v1(5456,3936.35)
  Bottom Layer w10: v1(5456,3936.35) 5456,3934.26 5475.26,3915 5690,3915 5825,3780 J6.2
DispayDATA: P1.5 U1.17 | length 786.1
  Top Layer w10: P1.5@4901,4445 P1.5 4939,4391 4955,4391 4986,4360 4986,4246 5029,4203 5255,4203 5328.36,4129.64 U1.17
DisplayCLK: P1.4 R15.2 U1.15 | length 1000.1
  Top Layer w10: P1.4 4793,4380 v1(4856,4317) R15.2 ; v1(5015,4270) 5264,4270 5367.73,4166.27 U1.15
  Top Layer w30: P1.4 P1.4@4799.31,4443.31
  Bottom Layer w10: P1.4@4792.77,4437.23 P1.4 ; v1(4856,4317) 4903,4270 v1(5015,4270)
DisplayCS: P1.1 U1.16 | length 1139
  Top Layer w10: v1(5036,4231) 5266,4231 5348.04,4148.96 U1.16
  Bottom Layer w10: P1.1 4699,4231 v1(5036,4231)
DisplayRS: P1.3 U1.14 | length 1190.4
  Top Layer w10: P1.3 4752,4496 5319,4496 5344,4471 5344,4246 5387.41,4202.59 U1.14
DisplayRSE: P1.2 U1.13 | length 1144
  Top Layer w10: U1.13 5407.1,4221.1 v1(5408,4222)
  Bottom Layer w10: P1.2 4781,4249 4941,4249 4941.86,4249.86 5382.23,4249.86 5408,4224.09 v1(5408,4222)
DRDY1: J4.4 U1.41 | length 740.1
  Top Layer w10: v1(5254,3668) 5254,3670.09 5269.22,3685.31 5269.22,3712.61 U1.41
  Bottom Layer w10: J4.4 5213,3519.15 5213,3563 5254,3604 v1(5254,3668)
DRDY2: J5.4 U1.42 | length 944.5
  Top Layer w10: v1(5282,3653) 5282,3655.09 5284.48,3657.56 5284.48,3687.56 5288.91,3692 5288.91,3712.61 U1.42
  Bottom Layer w10: J5.4 4815.43,4088 5036,4088 5105,4019 5105,3957 5179,3883 5179,3738 5188,3729 5247,3729 5283,3693 5283,3654 v1(5282,3653)
GND: C1.2 C2.1 C3.1 C4.1 C5.1 C6.1 C7.1 C8.1 C9.1 C10.1 C11.1 C12.1 C13.1 C14.1 C15.2 C17.1 C18.2 C19.1 C20.1 C21.1 C22.1 C23.1 C24.1 C25.1 C26.1 J1.5 J1.6 J1.7 J1.8 J1.9 J1.10 J1.11 J4.5 J5.5 J6.3 J7.3 J8.P6 J8.SH1 J8.SH2 J8.SH3 J8.SH4 P1.7 P1.9 P2.6 Q1.2 Q1.3 R3.1 R5.1 R7.2 R8.1 SW1.3 SW1.4 SW2.3 SW2.4 SW3.3 SW3.4 U1.8 U1.23 U1.35 U1.47 U1.49 U2.1 U2.3 U3.2 U5.1 U5.11 U5.18 U5.25 | length 4238.4
  Top Layer w10: v1(5128,3760) U1.35@5162.97,3759.97 ; C26.1 5191.09,4045.35 5191.09,4027.91 v1(5200,4019) 5210.17,4008.83 5210.17,3984.42 U1.23 ; v1(5188,3395) 5188.72,3394.28 5218.19,3394.28 U5.1 ; U5.11 5329.07,3264.7 5329.07,3243.02 5337,3235.09 v1(5337,3233) ; U5.18 5419.03,3393.56 5441.47,3371.12 C19.1 ; U1.47 5387.49,3712.61 v1(5387.49,3680.51) ; U1.8 5434.73,3878.12 5488.88,3878.12 v6(5489,3878) ; C1.2 5660.62,3557 v1(5695,3557) ; C4.1 v1(5818,4126)
  Top Layer w20: J8.P6 4484.45,3713.39 v3(4484.67,3713.6) 4485.63,3712.65 4522.35,3712.65 4536.61,3698.39 4558.24,3698.39 C21.1 C21.1@4560.05,3693.62 ; v1(5128,3191) 5162.44,3191 C20.1 ; C17.1 5387.56,3490 v1(5426,3490) ; C18.2 v1(5435,3199) ; C19.1 5446.45,3371.06 5492.94,3371.06 v3(5493,3371) ; C2.1 5659.67,3855.04 5700.04,3855.04 v3(5701,3856) ; C3.1 5796.67,3873.04 5832.04,3873.04 v3(5833,3874)
  Top Layer w30: J8.SH4 J8.SH3 4429.81,3261.81 v3(4430,3262) ; J8.SH1 J8.SH2 4428.64,3897.64 v3(4429,3898) ; C9.1 5089,3666.44 5089,3601 v4(5091,3599) ; C8.1 5106.72,4060.28 5171.72,4060.28 5172.22,4059.78 C26.1 C25.1 v6(5118,4134) ; v8(5286,3035) R8.1 ; C10.1 5429.44,3577 5482.59,3577 5500.59,3559 v4(5506,3559) 5507.5,3560.5 5507.5,3615.94 C7.1 ; C11.1 v4(5534,4062)
  Bottom Layer w10: J1.6@4006.74,2371.21 J1.6 ; C14.1@4231,2749.54 C14.1
  Bottom Layer w15: J1.5 J1.7
  Bottom Layer w20: 4058.16,2599.44 U2.1 ; U2.3 4254,2600.44 4254,2681 v4(4255,2682) ; U3.2 4334.65,2023.73 4334.65,2112.65 v4(4335,2113) ; v3(4924,3799) C6.1 C5.1 ; v4(4926,2335) 4926.14,2335.14 4926.14,2407.24
  Bottom Layer w30: J1.6 4015.75,2358.75 3979.83,2322.83 3936.19,2322.83 3918.14,2322.83 J1.8 J1.9 J1.10 J1.11 3918.14,2598.43 3936.19,2598.43 3977.57,2598.43 J1.7@4015.75,2560.25 ; J1.7 J1.7@4015.75,2560.25 ; R3.1 4059.63,2610.27 4015.75,2566.39 J1.7@4015.75,2560.25 ; v4(4075,1987) C15.2 ; C14.1@4231,2749.54 4238.74,2741.8 4238.74,2703.67 4255,2687.41 v4(4255,2682) ; v4(4477,2144) 4477.1,2144.1 4477.1,2202.97 C12.1 ; C13.1@4487.24,1983.04 v4(4556,1983) ; R7.2 4731.06,2830.63 v4(4733,2832.58) ; v4(4800,2734) 4800.68,2733.32 4800.68,2662.68 R5.1 ; SW1.3 5145.62,2350.44 5145.62,2307.23 5195.38,2257.48 C22.1 ; SW2.3 5566.89,2354.38 5566.89,2312.97 5634.38,2245.48 C23.1 ; SW3.3 5988.14,2352.41 5988.14,2312.71 6055.38,2245.48 C24.1
  other v2: 5276,3322.69 5319.31,3322.69 5276,3366 5319.31,3366 5212.21,3761.9 5255.52,3761.9 5298.83,3761.9 5342.14,3761.9 5385.44,3761.9 5212.21,3805.21 5255.52,3805.21 5298.83,3805.21 5342.14,3805.21 5385.44,3805.21 5212.21,3848.51 5255.52,3848.51 5298.83,3848.51 5342.14,3848.51 5385.44,3848.51 5212.21,3891.82 5255.52,3891.82 5298.83,3891.82 5342.14,3891.82 5385.44,3891.82 5212.21,3935.13 5255.52,3935.13 5298.83,3935.13 5342.14,3935.13 5385.44,3935.13
  other v5: 3897.64,2007.87 6259.84,2007.87 3897.64,4448.82 6259.84,4448.82
MPU6050INT: U1.43 U5.12 | length 729.8
  Top Layer w10: v1(5307,3667) 5307,3669.09 5308.67,3670.76 U1.43 ; v1(5332,3567) 5360,3539 5425,3539 5520,3444 5520,3301 5485.59,3266.59 U5.12
  Bottom Layer w10: v1@5307,3664.91 v1(5307,3667) 5334,3640 5334,3607 5332,3605 v1(5332,3567)
NetC1_1: C1.1 U1.3 X1.1 | length 334.3
  Top Layer w10: U1.3 5501.38,3779.62 5590.37,3690.63 5590.37,3666.2 X1.1
  Top Layer w20: X1.1 5611.32,3645.25 5611.32,3559.06 C1.1
NetC2_2: C2.2 U1.4 X1.4 | length 272.7
  Top Layer w10: U1.4 5589.67,3799.3 5610.26,3778.71 X1.4
  Top Layer w20: X1.4 5610.82,3772.86 5610.82,3853.44 C2.2
NetC3_2: C3.2 U1.5 Y1.1 | length 461.4
  Top Layer w10: U1.5 5514.99,3818.99 5628,3932 5693.22,3932 Y1.1@5727.76,3966.54
  Top Layer w20: Y1.1@5727.76,3966.54 Y1.1 5732.76,3966.54 5746.38,3952.91 C3.2
NetC4_2: C4.2 R1.1 Y1.3 | length 276
  Top Layer w20: R1.1 5631.95,4039.59 5710.65,4118.28 5735.61,4118.28 5740.38,4123.05 C4.2 5745.14,4121.24 5745.14,4106.63 5800.75,4051.02 5800.75,4047.09 5814.37,4033.46 Y1.3
NetC15_1: C15.1 U3.4 | length 115.9
  Bottom Layer w20: C15.1 4230.81,2034.25 4234.3,2030.76 U3.4
NetC16_2: C16.2 R4.1 U4.5 | length 215.5
  Bottom Layer w20: C16.2 4638.47,2535.84 4714.81,2535.84 U4.5
  Bottom Layer w30: C16.2 4638.25,2417.99 4646.87,2409.37 R4.1 R4.1@4646.41,2412.96
NetC17_2: C17.2 U5.20 | length 70.7
  Top Layer w10: U5.20 5327.18,3486.74 C17.2
NetC18_1: C18.1 U5.10 | length 103.3
  Top Layer w10: U5.10 5307.5,3221.5 5327.05,3201.95 5353.42,3201.95 C18.1
NetC25_2: C25.2 C26.2 U1.22 | length 149.8
  Top Layer w10: C26.2 5229.93,4061.63 U1.22
  Top Layer w30: C26.2 C25.2
NetJ8_P1: J8.P1 R10.1 | length 148.5
  Top Layer w20: J8.P1 4464.71,3458.12 v3(4464.71,3444.11)
  Bottom Layer w20: v3(4464.71,3444.11) 4465.67,3443.15 4465.67,3368.96 R10.1
NetJ8_P8: J8.P8 R11.1 | length 175.6
  Top Layer w20: J8.P8 4488.15,3800 v3(4514.16,3826.01)
  Bottom Layer w20: v3(4514.16,3826.01) 4515.12,3826.97 4515.12,3843.67 4553.08,3881.63 R11.1
NetP1_8: P1.8 R16.1 | length 136.2
  Top Layer w10: P1.8 5193,4422.66 5215.37,4400.29 R16.1
  Top Layer w30: P1.8@5186.69,4443.31 P1.8
NetQ1_1: Q1.1 Q1.8 | length 226.8
  Bottom Layer w15: Q1.1 Q1.8
NetQ1_4: Q1.4 U4.3 | length 142
  Bottom Layer w15: U4.3 4854.79,2498.21 4887.76,2465.24 Q1.4
NetQ1_5: Q1.5 U4.1 | length 109
  Bottom Layer w15: U4.1 4820.72,2576.34 4852.91,2576.34 4887.76,2611.18 Q1.5
NetR1_2: R1.2 U1.6 | length 272.4
  Top Layer w10: U1.6 5503.67,3838.67 5615.3,3950.3 5615.3,3977.66 5626.05,3988.41 R1.2
NetR2_1: R2.1 U3.5 | length 127.8
  Bottom Layer w20: R2.1 4130.63,2191 4230.81,2191 4234.3,2194.49 U3.5
NetR3_2: R3.2 U2.2 | length 149.3
  Bottom Layer w20: R3.2 4138.37,2717.08 4193,2662.45 4193,2661 4201.19,2652.81 4201.19,2601.25 U2.2
NetR5_2: R5.2 U4.2 | length 190.8
  Bottom Layer w15: R5.2 4738.75,2645.88 4738.75,2623.25 4764,2598 4764,2546 4774.39,2535.61 U4.2
NetR8_2: R8.2 U5.9 | length 107
  Top Layer w10: R8.2 5287.81,3162.18 U5.9
NRST: P2.4 U1.7 | length 1795.8
  Top Layer w10: U1.7 5468.64,3858.36 v1(5469,3858)
  Bottom Layer w10: P2.4 4427,2969 4973,2969 5279,3275 5326,3275 5461,3410 5461,3848.28 5469,3856.28 v1(5469,3858)
SCL1: J4.2 U1.45 U5.23 | length 850.9
  Top Layer w10: J4.2 5022.76,3346 5268.13,3591.37 ; U5.23 5268.13,3591.37 ; U1.45 5348.12,3712.61 5348.12,3687.8 5348.53,3687.39 5348.53,3671.77 5268.13,3591.37
SCL2: J5.2 U1.21 | length 895.2
  Top Layer w10: U1.21 5249.69,3984.42 5249.69,4011.69 v1(5274,4036)
  Bottom Layer w10: J5.2 4613.57,4209 5134,4209 5274,4069 v1(5274,4036)
SDA1: J4.3 U1.46 U5.24 | length 866.5
  Top Layer w10: J4.3 4956.58,3247.58 v1@5248.44,3539.44 ; U5.24 v1@5248.44,3539.44 ; v1(5249,3540) v1@5248.44,3539.44 ; v1(5311.71,3608.29) 5367.65,3664.22 5367.65,3712.61 U1.46
  Bottom Layer w10: v1(5249,3540) 5250.48,3541.48 5250.48,3547.41 5311.36,3608.29 v1(5311.71,3608.29)
SDA2: J5.3 U1.39 | length 890.5
  Top Layer w10: v1(5221,3670) 5221,3672.09 5229.85,3680.94 5229.85,3712.61 U1.39
  Bottom Layer w10: J5.3 4762,4043 4931,4043 5034,3940 5052,3940 5138,3854 5140,3854 5149,3845 5149,3712 5191,3670 v1(5221,3670)
SDCLK: J8.P5 R14.1 U1.26 | length 957.6
  Top Layer w10: v1(4964,3937.92) 4964.75,3937.17 5162.92,3937.17 U1.26
  Top Layer w20: J8.P5 4425.94,3670.04 4493.59,3670.04 v3(4495.29,3668.34)
  Bottom Layer w10: R14.1 4555.63,3663.92 4597,3705.29 4597,3823 4746,3972 4929.92,3972 v1(4964,3937.92)
  Bottom Layer w20: v3(4495.29,3668.34) 4496.25,3667.38 4547.25,3667.38 R14.1
SDCMD: J8.P3 R13.1 U1.28 | length 943.7
  Top Layer w10: v3(4490.41,3578.97) 4548.97,3578.97 4867.73,3897.73 U1.28
  Top Layer w20: J8.P3 4485.92,3583.46 v3(4490.41,3578.97)
  Bottom Layer w20: v3(4490.41,3578.97) 4506.39,3563 R13.1
SDCS: J8.P2 R9.1 U1.25 | length 1141.8
  Top Layer w10: v3(4493,3516) 4664,3516 4690,3542 v3(4690,3545) ; v3(4880,3943) 4884.06,3943 4897.84,3956.78 U1.25
  Top Layer w20: J8.P2@4423.78,3537.95 J8.P2 4468.84,3540.16 v3(4493,3516)
  Bottom Layer w10: v3(4690,3545) 4693,3545 4880,3732 v3(4880,3943)
  Bottom Layer w20: v3(4493,3516) 4494.35,3516 4512.35,3498 4513,3498 4520.46,3490.54 4542.01,3490.54 4555.63,3476.92 R9.1
SDDAT0: J8.P7 R12.1 U1.27 | length 862.5
  Top Layer w10: v3(4498,3756) 4683,3756 4844.41,3917.41 U1.27
  Top Layer w20: J8.P7 4426.33,3756.35 4497.65,3756.35 v3(4498,3756)
  Bottom Layer w20: v3(4498,3756) 4498.96,3756.96 4551.59,3756.96 R12.1
SW1: C22.2 R17.1 SW1.1 SW1.2 U1.31 | length 2411
  Top Layer w10: U1.31@5162.92,3838.59 U1.31 5010.67,3838.67 4749,3577 4749,3009 5316.93,2441.07 SW1.1
  Bottom Layer w30: C22.2 5313.93,2255 5316.93,2252 ; SW1.2 5316.93,2252 ; R17.1 5413.53,2353.84 5319.4,2353.84 SW1.1 5316.93,2252
SW2: C23.2 R18.1 SW2.1 SW2.2 U1.32 | length 2703.3
  Top Layer w10: U1.32 5022.99,3818.99 4772,3568 4772,3020 4853,2939 5159.43,2939 SW2.1
  Bottom Layer w30: C23.2 5736.19,2243 5738.19,2245 ; SW2.2 5738.19,2245 ; R18.1 5831.38,2354.99 5814.13,2354.99 5808.88,2360.24 SW2.1 5738.19,2245
SW3: C24.2 R19.1 SW3.1 SW3.2 U1.33 | length 3071.8
  Top Layer w10: U1.33@5162.92,3799.38 U1.33 5030.3,3799.3 4794,3563 4794,3029 4865,2958 5559.72,2958 SW3.1
  Bottom Layer w30: C24.2 6158.45,2243 6159.45,2244 ; SW3.2 6159.45,2244 ; R19.1 6255.08,2334.37 6226.45,2363 6164.18,2363 SW3.1 6159.45,2244
SWCLK: P2.3 U1.37 | length 1280.1
  Top Layer w10: v1(5189,3592) 5189,3594.09 5190.56,3595.65 U1.37
  Bottom Layer w10: P2.3 4416,3190 4508,3190 4871,3553 5150,3553 v1(5189,3592)
SWDIO: P2.2 U1.34 | length 1349.7
  Top Layer w10: v1(5062,3763) 5062.51,3763 5079.12,3779.62 U1.34
  Bottom Layer w10: P2.2 4341,3215 4500,3215 4858,3573 4939,3573 5062,3696 v1(5062,3763)
Vbatt+: C12.2 J2.1 R2.2 R4.2 R6.1 U2.5 U3.6 U3.8 | length 1522.3
  Bottom Layer w20: R2.2 4134.92,2270.37 4174.55,2310 4267.41,2310 4282.2,2295.2 ; U3.6@4282.2,2216.29 4282.2,2295.2 ; U3.8 4384.3,2249.68 4387.79,2253.17 4421.18,2253.17 4426.2,2258.19 C12.2 C12.2@4482.13,2258.19 ; J2.1 4441.89,2404.56 U2.5 4303,2316 4282.2,2295.2
  Bottom Layer w30: R6.1 4417.83,2485.17 4435.41,2467.59 4491,2467.59 J2.1 4497.96,2333 ; C12.2@4482.13,2258.19 4497.96,2274.02 4497.96,2333 ; R4.2 4500.33,2330.63 4497.96,2333
Vbatt-: C16.1 J2.2 Q1.6 Q1.7 U4.6 | length 747.8
  Power Layer w20: J2.2 4890.06,2559.06 v7(4907,2576)
  Bottom Layer w10: v7(4907,2576) 4907,2578.62 4913.35,2584.97 Q1.6 Q1.7
  Bottom Layer w20: C16.1 4649,2580.43 4694.82,2580.43 4702.24,2573.01 U4.6 U4.6@4714.21,2572.18
  Bottom Layer w30: J2.2@4502.53,2563.62 J2.2 4506.36,2559.06 4538.48,2591.18 C16.1
VbusUSB: C14.2 J1.1 U2.4 U2.8 | length 771.2
  Power Layer w39.37: v4(4096,2409.45) 4343.97,2657.41 4343.97,2720.97 v4(4346,2723)
  Bottom Layer w10: v4@4073.41,2409.45 v4(4096,2409.45)
  Bottom Layer w15: J1.1 v4@4073.41,2409.45 ; v4(4096,2409.45) 4148.69,2409.45 4153,2405.14 U2.8
  Bottom Layer w20: U2.4 4304.81,2601.25 4304.81,2638.81 4342.61,2676.61 4342.61,2719.61 v4(4346,2723)
  Bottom Layer w30: C14.2 4287.2,2745.71 4293.86,2739.06 4324.53,2739.06 4340.59,2723 v4(4346,2723)
VoutLDO: C7.2 C13.2 J3.1 U1.1 U3.1 | length 2558.7
  Top Layer w10: U1.1 5475.75,3740.25 5504.08,3711.92 C7.2@5504.08,3679.21
  Top Layer w30: J3.1 4676.54,2232.54 4910,2466 v3(5142,2466) ; C7.2@5502.35,3679.21 C7.2 5515.65,3665.91 5559.09,3665.91 v3(5560,3665)
  Power Layer w30: v3(5142,2466) 5578,2902 5578,3647 v3(5560,3665)
  Bottom Layer w20: U3.1 4384.3,2037.51 4387.79,2041 4484.39,2041 C13.2
  Bottom Layer w30: C13.2 4492.13,2038.19 4611.94,2158 4674.69,2158 J3.1
pads on no net: J1.2 J1.3 J1.4 J4. J5. J8. J8.P9 P1.10 P1.11 P1.12 P1.13 U1.2 U1.18 U1.19 U1.20 U1.29 U1.30 U1.38 U1.40 U2.6 U2.7 U2.9 U3.3 U3.7 U4.4 U5.2 U5.3 U5.4 U5.5 U5.6 U5.7 U5.14 U5.15 U5.16 U5.17 U5.19 U5.21 U5.22 X1.2 X1.3 Y1.2 Y1.4

## Polygon pours and split planes (outlines as drawn)
GND on Ground Layer "GND_L03_P001" (solid, pour order 1): 3818.9,4532 6338.58,4532 6338.58,1929.13 3818.9,1929.13
GND on Ground Layer "NONET_L03_P000" (solid, shelved, pour order 0): 3818.9,4645.67 6338.58,4645.67 6338.58,1929.13 3818.9,1929.13
GND on Power Layer "GND_L02_P002" (solid, pour order 2): 3807,4546 3908,4647 6609,4647 6609,1620 6599,1610 6590,1619 3291,1619

## Silkscreen, mask and mechanical layers (free items; w line width, h text height)
Top Overlay:
  drawing of 22 lines, arcs and shapes, not listed
  text "CS" at 4507,4315 h30 r90
  text "RS" at 4707,4315 h30 r90
  text "RSE" at 4606,4284 h30 r90
  text "CLK" at 4815,4282 h30 r90
  text "DATA" at 4909,4259 h30 r90
  text "MTB Telemetry System" at 5092,2838 h60
  text "v1.0" at 6009,2759 h60
  text "Krzysztof Sikora" at 5295,2615.99 h60
Bottom Overlay:
  drawing of 39 lines, arcs and shapes, not listed
  text "3.3V" at 5958,4330 h30
  text "ADC1" at 5963,4230 h30
  text "GND" at 5960,4111 h30
  text "3.3V" at 4452,4041 h30 r90
  text "SDA" at 4675,4041 h30 r90
  text "GND" at 4869,4041 h30 r90
  text "INT" at 4777,4037 h30 r90
  text "SCL" at 4514,4035 h30 r90
  text "3.3V" at 5954,3870 h30
  text "ADC1" at 5954,3767 h30
  text "GND" at 5950,3669 h30
  text "3.3V" at 5108,3434 h30
  text "SCL" at 5071,3343 h30
  text "SDA" at 5074,3241 h30
  text "NRST" at 4379,3218 h30 r90
  text "3.3V" at 4074,3207 h30 r90
  text "GND" at 4588,3198 h30 r90
  text "CLK" at 4273,3190 h30 r90
  text "DIO" at 4170,3188 h30 r90
  text "B0" at 4474,3164 h30 r90
  text "INT" at 5068,3136 h30
  text "GND" at 5076,3039 h30
  text "B-" at 4560,2739 h30 r90
  text "B+" at 4443,2345 h30 r90
  text "Power switch" at 4860,2318 h30 r90

## Text inside footprints (layer, text, board x,y; h text height)
J1: Mechanical 1 "PCB EDGE" at 3848.43,2177.17 h11.81 r270
P1: Top Overlay "13" at 5775,4472 h30; Top Overlay "1" at 4397,4468 h30
P2: Bottom Overlay "1" at 4056.28,2968.07 h30 r180; Bottom Overlay "6" at 4546.04,2968.07 h30 r180